# Allegro board pocketbeagle2-revA_241205.brd (continued)
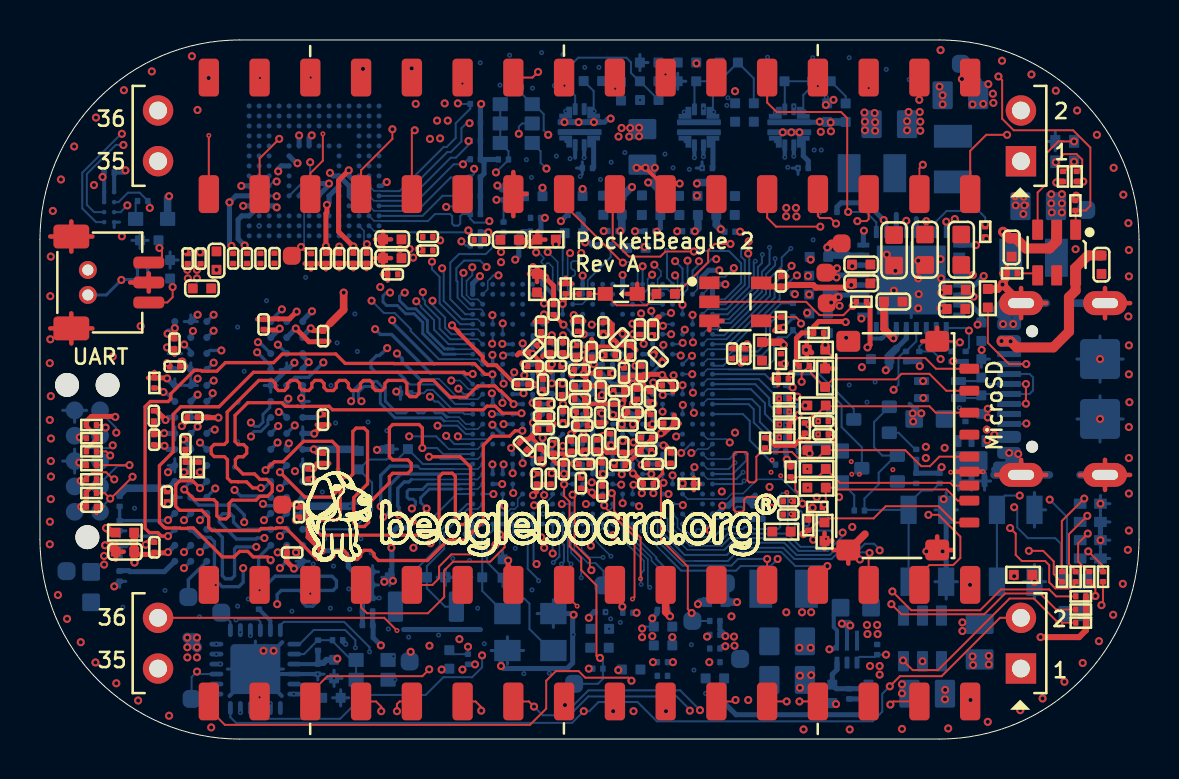
[diagram p0: board, top side]
## Routing (per net, layer and track width the routed paths; a pad name or vN(x,y) marks a point on that pad's centre or on a via; arc(x,y) is an arc through that point) (continued)
V21: length 24.9
  TOP w0.097: v4(28.79,32.56) 28.77,32.58 P2.18
  LYR2_GND w0.097: v2(29.09,32.33) 29.02,32.33 v4(28.79,32.56)
  LYR3 w0.097: v2(29.09,32.33) 29.22,32.21 30.59,32.21 31.07,31.73 33.77,31.73 34.12,32.08 35.26,32.08 v2(35.29,32.1)
  LAY8 w0.097: v2(35.29,32.1) 35.29,30.73 34.98,30.43 34.98,28.34 35.92,27.4 35.92,26.39 36.61,25.7 36.61,21.46 35.49,20.34 34.32,20.34 33.87,19.89 33.21,19.89 32.84,19.52 32.35,19.52 32.06,19.24 v1(32.06,19.2)
  BOTTOM w0.102: v1(32.06,19.2) 32,19.27 U1.V21
V24: length 23.9
  TOP w0.097: P2.4 46.28,33.12 46.21,33.04 v1(46.14,33.04)
  LYR3 w0.097: v2(40.14,32.64) 40.9,32.64 41.61,33.35 45.83,33.35 v1(46.14,33.04)
  LAY8 w0.097: v1(37.88,23.21) 37.88,23.29 37.98,23.39 37.98,25.32 39.56,26.9 39.56,29.03 40.22,29.69 40.22,31.77 40.14,31.85 v2(40.14,32.64)
  BOTTOM w0.081: 34.3,19.52 33.41,19.52 U1.V24
  BOTTOM w0.097: v1(37.88,23.21) 37.86,23.21 37.78,23.14 37.75,23.14 37.04,22.43
  BOTTOM w0.102: 37.04,22.43 37.02,22.4 37.02,22.03 34.5,19.52 34.3,19.52
VBAT: length 36.9
  TOP w0.305: v1(50.86,27.86) 50.91,27.91 R38.1
  TOP w0.508: v1(48.19,25.4) 48.52,25.07 C7.1 48.82,25.07 49.34,24.56 50.52,24.56 50.88,24.92 U5.2
  LAY5_PWR1 w0.381: 48.19,27.68 48.5,27.68 ; 48.19,27.68 48.19,27.99 ; 48.19,27.68 48.19,27.38 ; 48.5,27.68 48.19,27.38 ; 48.5,27.68 49.97,27.68 50.15,27.86 v1(50.86,27.86) ; 48.5,27.68 48.19,27.99 ; 48.19,27.38 v1(48.19,25.4) ; 48.19,27.99 48.19,29.36 45.75,31.8 45.75,32.69 44.36,34.09 35.72,34.09 33.22,31.58 28.93,31.58 28.23,30.89 v1(27.72,30.89)
  BOTTOM w0.254: v1(27.72,30.89) 28.25,30.89 28.41,31.04 28.53,31.04 v1(28.56,31.06)
  vias: v1(26.25,30.89) v1(26.96,30.89)
VDD_1V2: length 30.4
  TOP w0.102: C228.1 25.47,15.6 25.49,15.62 ; C227.1 25.51,16.16 ; C119.1 7.91,16.11 ; C120.1 14.17,14.33 ; C100.1 5.72,14.71 ; C115.1 5.7,16.46 ; C114.1 11.19,20.48
  TOP w0.254: v1(12,20.55) 11.93,20.48 11.19,20.48 ; v1(6.23,14.68) 6.2,14.71 5.72,14.71 ; v1(8.93,16.09) 8.51,16.09 8.49,16.11 7.91,16.11 ; C81.1 6.49,18.69 v1(6.36,18.82) ; v1(6.75,20.57) 6.75,20.5 6.73,20.48 C102.1 6.63,20.05 v1(6.38,20.29) ; v1(13.7,14.51) 13.87,14.33 14.17,14.33 ; 25.49,15.52 25.49,15.62 v1(25.64,15.77) 25.51,15.9 25.51,16.16 ; v1(25.11,17.31) 25.17,17.38 25.17,17.47 ; C99.1 13.64,13.01 v1(13.65,13) ; v1(6.28,15.98) 6.15,16.11 6.15,16.13 5.95,16.33 5.93,16.33 5.8,16.46 5.7,16.46
  BOTTOM w0.102: C121.1 16.67,5.71
  BOTTOM w0.152: 25.12,17.3 v1(25.11,17.31)
  BOTTOM w0.203: 25.63,15.78 v1(25.64,15.77)
  BOTTOM w0.254: v1(13.7,14.51) 13.7,14.5 U2.J1 ; v1(13.65,13) 13.55,12.9 U2.L1 ; 6.43,20.42 U2.B9 v1(6.75,20.57) ; 6.43,20.42 6.6,20.42 v1(6.75,20.57) ; 6.43,20.42 6.38,20.37 v1(6.38,20.29) ; U2.T9 6.23,8.38 4.5,8.38 4.45,8.43 3.95,8.43 ; v1(7.17,15.01) 7.55,14.62 U2.J8 ; U2.B3 v1(12,20.55) ; U2.G7 8.92,16.1 v1(8.93,16.09) ; U2.A1 13.15,20.95 v1(13.61,21.42) ; U2.D1 13.15,18.57 v1(13.45,18.87) 13.15,19.17 U2.C1 ; v1(14.01,16.28) 13.83,16.1 U2.G1 ; v1(6.75,20.57) U2.A9 ; 25.61,15.77 25.61,15.31 U1.K9 ; 25.61,15.77 25.63,15.78 25.63,16.24 U1.M9 ; 25.61,15.77 U1.L8 ; R86.1 16.65,5.73 16.67,5.71 16.67,5.08 v1(17.06,4.69) ; R81.1 3.99,12.26 ; 25.12,17.3 25.62,17.3 U1.P9 ; v1(41.23,25.45) 41.2,25.42 U17.24 ; v1(6.28,15.98) 6.41,16.1 U2.G9 ; v1(6.23,14.68) 6.41,14.5 U2.J9 ; U2.R1 12.81,9.36 v1(12.81,9.35) ; U2.D9 6.68,18.5 v1(6.36,18.82) ; U2.L9 v1(6.41,12.56) ; v1(25.11,17.31) 25.16,17.36 U1.R8 ; U2.J2 12.35,14.7 v1(12.45,14.81) ; U2.F8 v1(7.89,17.24)
  BOTTOM w0.381: v1(13.7,14.51) 15.87,14.51 R84.1 ; 3.99,12.26 4.29,12.56 v1(6.41,12.56)
  vias: v1(3.21,9.17) v1(3.21,8.74) v1(12.43,17.04) v1(12.76,13.41) v1(18.02,24.54) v1(18.5,24.54) v1(18.68,24.1) v1(18.96,24.54) v1(41.26,31.37) v1(41.28,30.91) v1(41.28,30.48) v1(41.77,31.34) v1(41.79,30.89) v1(41.79,30.45)
VDD_1V8: length 38.2
  TOP w0.102: C73.1 15.68,24.35 ; C273.1 24.44,17.76
  TOP w0.254: 24.44,17.76 24.68,17.76 v1(24.7,17.73) ; v1(15.45,28.47) 14.94,27.96 14.94,25.4 v1(15.68,24.66) 15.68,24.35 ; v1(26.22,13.28) 26.22,13.25 26.21,13.24 26.21,13.23
  TOP w0.305: C112.1 40.45,22.82 40.24,22.6 38.82,22.6 38.69,22.73 37.45,22.73 37.37,22.66 C21.1 36.28,22.66 U4.5
  LYR3 w0.254: J2.2 2.4,24.89 3.67,26.16 8.77,26.16 v1(9.48,26.87)
  BOTTOM w0.203: v1(26.22,13.28) 26.22,13.4 26.16,13.47 U1.G10 ; U1.T7 24.66,17.78 v1(24.7,17.73) ; U17.32 v1(45.35,25.9)
  BOTTOM w0.254: v1(9.58,24.69) 9.48,24.79 v1(9.48,26.87) 9.8,27.19 U3.P5 ; v1(15.45,28.47) 15.45,28.21 U3.C6 ; R13.1 R9.1 v1(22.44,25.37) ; R5.1 v1(22.08,31.8) 22.04,31.76 R10.1 R6.1 R11.1 22.05,29.02 ; v1(10.25,24.71) 9.91,25.04 9.91,26.01 10.1,26.19 U3.P3 U3.N4 U3.M4 11.69,26.69 11.77,26.62 v1(11.85,26.62) ; 22.05,29.02 22.22,28.85 22.22,28.31 22.04,28.13 R7.1 R12.1 R8.1 ; 22.05,29.02 R14.1 ; U17.20 v1(40.6,22.73)
  BOTTOM w0.381: 46.95,32.94 TP20.1
  vias: v1(18.8,31.8) v1(19.87,30.96) v1(20.25,31.82) v1(20.41,30.96) v1(23.07,24.38) v1(23.07,23.87) v1(45.78,26.03) v1(46.67,31.77) v1(47.2,31.8) v1(47.46,32.79) v1(47.68,32.31) v1(47.71,31.85)
VDD_2V5: length 76.1
  TOP w0.381: FB4.1 3.56,10.34 3.34,10.57 v1(3.31,10.57) ; v1(39.4,24.61) 39.61,24.81 TP25.1
  LYR7 w0.381: v1(3.31,10.57) 3.31,10.59 2.64,11.26 2.64,15.4 2.4,15.65 2.4,20.57 1.48,21.49 1.48,24.76 2.37,25.65 2.4,25.65 4.05,27.3 5.83,27.3 11.24,32.71 19.95,32.71 21.57,34.34 42.22,34.34 42.78,33.78 42.78,25.5 42.12,24.84 39.63,24.84 v1(39.4,24.61)
  BOTTOM w0.254: 40.42,24.23 U17.23
  BOTTOM w0.381: 40.42,24.23 39.54,24.23 C46.1 39.44,24.22 39.43,24.23 39.43,24.59 v1(39.4,24.61)
VDD_3V3: length 70.4
  TOP w0.102: C210.1 28.13,13.31 v1(28.18,13.27) ; 28.14,12.69 C272.1 ; 30.68,20.21 C223.1 ; C208.1 27.06,20.42 27.09,20.39 ; C211.1 31.19,15.8 ; C68.1 14.31,24.35 ; v1(29.8,18.69) 29.82,18.67 C217.1 ; C67.1 14.98,24.35
  TOP w0.203: R33.1 2.32,14.5 2.83,15.01 R31.1 2.83,15.17 2.32,15.67 R35.1 ; 26.92,20.39 27.09,20.39 v1(27.21,20.27) ; R34.1 2.32,12.36 2.83,12.87 R32.1
  TOP w0.254: 30.61,14.44 30.61,14.31 v1(30.62,14.3) ; v1(2.07,11.63) C5.1 R34.1 ; v1(30.7,16.79) 30.63,16.86 30.53,16.86 ; v1(27.16,13.24) 27.07,13.15 27.07,13.09 ; R182.1 R177.1 37.5,15.77 v1(37.96,16.23) ; R35.1 2.32,15.9 2.57,16.15 3.74,16.15 v1(3.77,16.13) ; 28.14,13.27 28.14,12.69 ; 28.14,13.27 28.14,13.29 C210.1 ; 28.14,13.27 28.12,13.29 ; 30.56,15.72 30.61,15.72 v1(30.66,15.77) 30.69,15.8 31.19,15.8 ; R228.1 47.35,25.09 v1(47.35,25.04) ; v1(31.15,18.85) 31.14,18.86 31.14,18.93 ; v1(14.98,24.65) 14.98,24.35 14.97,24.35 14.31,24.35 v1(14.31,24.69) 14.31,26.31 14.36,26.36 v1(14.36,26.74) ; 30.12,18.7 29.81,18.7 v1(29.8,18.69) ; R159.1 41.36,21.87 41.54,21.69 41.54,19.74 v1(41.41,19.61) ; 30.68,20.21 30.61,20.14 v1(30.59,20.14)
  TOP w0.305: v1(37.37,13.99) 37.56,13.8 R61.1 ; v1(50.07,5.1) 52,5.1 52.34,5.44 R96.1 R25.1 R27.1 ; R22.1 v1(52.21,27.91)
  LYR3 w0.381: v1(6.46,27.18) 5.9,27.18 5.85,27.23 4.05,27.23 v1(3.13,28.14) ; v1(2.07,11.63) 2.54,12.1 2.54,15.71 3.01,16.18 3.72,16.18 v1(3.77,16.13)
  LYR7 w0.305: 52.49,25.22 52.49,27.63 v1(52.21,27.91)
  BOTTOM w0.102: C8.1 3.21,28.22 v1(3.13,28.14)
  BOTTOM w0.152: v1(25.61,14.76) 25.64,14.76 26.15,15.27 U1.K10 ; U1.T19 30.66,18.35 v1(31.15,18.85)
  BOTTOM w0.203: U1.G12 v1(27.16,13.24) 27.13,13.27 U1.F11 ; 30.37,17.05 30.63,16.79 v1(30.7,16.79) 30.67,16.77 30.17,16.77 ; 30.37,17.05 U1.P18 ; 30.37,17.05 30.37,16.97 30.17,16.77 ; U1.W19 30.66,19.97 30.59,20.04 v1(30.59,20.14) ; v1(29.8,18.69) 29.88,18.77 U1.U18 ; U13.B2 U13.A2 3.21,28.06 v1(3.13,28.14) ; U1.L18 v1(30.66,15.77) U1.M19 ; 30.17,16.77 U1.N18 ; U1.H9 25.61,14.31 v1(25.61,14.76) ; U1.G14 28.16,13.63 28.13,13.6 28.13,13.32 v1(28.18,13.27) U1.F15 ; U1.W16 v1(29.16,20.29) ; 13.87,3.75 13.9,3.75 C18.1 ; 13.87,3.75 13.9,3.78 ; 13.87,3.75 U11.3 ; U1.J18 v1(30.62,14.3) ; U1.Y13 v1(27.21,20.27)
  BOTTOM w0.254: v1(14.36,26.74) 14.47,26.85 U3.F5 U3.E6 ; R24.1 34.03,5.48 34.2,5.31 34.2,5.26 v1(34.3,5.15) 34.2,5.15 34.13,5.22 34.05,5.22 ; v1(46.72,22.15) 46.64,22.23 U17.6 ; R173.1 37.4,17.73 37.52,17.6 v1(37.67,17.6) ; R180.1 37.32,14.35 37.35,14.32 37.35,14.07 37.37,14.04 v1(37.37,13.99) 37.32,13.94 R183.1 ; R174.1 37.47,16.25 37.93,16.25 v1(37.96,16.23) ; v1(12.89,28.83) 12.84,28.88 12.78,28.88 U3.K9 ; v1(2.07,11.63) 1.81,11.38 J1.1 ; 34.05,4.54 34.14,4.62 34.27,4.62 v1(34.3,4.65) ; R45.1 13.91,3.79 ; C11.2 41.25,2.01 R260.2 41.46,1.42 41.26,1.22 34.83,1.22 34.24,1.81 C206.1 ; v1(45.7,18.92) 45.73,18.9 R59.1 ; v1(27.47,3.52) R23.1 ; U3.J10 v1(12.97,30.22) ; R48.2 v1(29.85,6.32) ; v1(40.65,23.67) 40.71,23.73 U17.22 ; v1(45.12,13.61) 45.02,13.51 R28.1 R50.1 R58.1 ; R54.1 R160.1 44,18.69 v1(44.03,18.67)
  BOTTOM w0.305: C17.1 14.34,3.97 14.18,3.81 13.93,3.81 13.9,3.78
  BOTTOM w0.381: v1(6.46,27.18) 6.39,27.1 D6.1 ; v1(14.88,4.02) 14.82,3.97 C17.1
  BOTTOM w0.508: v1(7.86,4.6) 7.76,4.7 7.76,5.05 7.41,5.05 v1(7.37,5.08)
  vias: v1(7.37,23.49) v1(7.4,23.06) v1(7.37,4.6) v1(7.37,4.09) v1(7.86,23.49) v1(7.86,23.06) v1(7.86,5.08) v1(7.86,4.09) v1(19.52,30.05) v1(20.02,30.07) v1(34.6,6.14) v1(34.73,5.13) v1(34.76,4.67) v1(39.99,12.11) v1(45.3,2.46) v1(45.29,1.99)
VDD_3V3_EN: length 20.9
  LYR3 w0.097: v1(42.34,4.23) 42.34,5.95 41.87,6.42 41.87,6.93 40.55,8.25 40.55,9.04 42.1,10.59 42.1,16.46 41.64,16.92 41.64,17.55 40.75,18.44 40.75,20.7 v1(41.11,21.06)
  BOTTOM w0.102: U17.17 41.2,21.15 v1(41.11,21.06) ; U12.1 40.89,4 41,4.11 41.79,4.11 R137.2 v1(42.34,4.23)
VDD_3V3_SD: length 1.4
  BOTTOM w0.102: v1(46.16,5.84) 46.25,5.75 46.4,5.75 46.41,5.76 ; 46.41,5.76 46.41,5.66 v1(46.16,5.41) ; 46.41,5.76 C32.1
  vias: v1(39.71,15.52) v1(39.66,15.09)
VDD_CANUART: length 1.1
  TOP w0.254: v1(24.69,13.27) 24.72,13.31 24.86,13.31
  BOTTOM w0.203: v1(24.69,13.27) U1.F8
  BOTTOM w0.254: v1(27.47,6.07) 27.47,6.1 27.72,6.36 27.76,6.36
VDD_CORE: length 20.6
  TOP w0.102: C190.1 29.54,19.19 29.52,19.17 ; C186.1 29.87,16.99 ; C194.1 25.04,13.99 ; 26.71,18.35 26.73,18.37 C192.1 ; C181.1 25.07,20.37 ; v1(29.11,18.77) 29.23,18.66 C191.1 ; C185.1 26.58,14.93 ; C193.1 25.05,19.71 25.07,19.73 ; C180.1 27.88,15 ; 26.86,15.75 26.89,15.72 C189.1 ; C187.1 26.81,16.36 ; C183.1 28.54,15.3
  TOP w0.254: C184.1 29.15,16.1 C188.1 ; 29.54,19.17 29.52,19.17 v1(29.11,18.77) ; 25.07,20.37 25.07,19.78 v1(25.09,19.75) 25.07,19.73 24.89,19.73 ; 29.87,16.99 v1(29.67,16.79) ; v1(25.16,13.81) 25.04,13.92 25.04,13.99 ; 26.81,16.36 26.78,16.36 v1(26.65,16.23) 26.65,16.2 26.86,15.99 26.86,15.52 26.61,15.26 v1(26.58,15.26) 26.58,15.22 26.56,15.2 26.56,14.95 C185.1 ; 28.54,15.3 28.31,15.3 v1(28.18,15.18) 28,15 27.88,15 ; 26.71,18.49 26.71,18.35 v1(26.63,18.27)
  BOTTOM w0.102: C179.1 30.23,5.63 v1(30.13,5.54)
  BOTTOM w0.152: U1.V17 29.6,19.27 29.11,18.78 v1(29.11,18.77) ; U1.U12 27.09,18.77 26.67,18.35 26.67,18.31 v1(26.63,18.27) ; v1(26.58,15.26) 26.83,15.52 26.88,15.52 26.91,15.55 26.94,15.55 U1.L12 ; v1(29.11,15.77) 29.13,15.75 29.13,15.73 29.6,15.27 U1.K17
  BOTTOM w0.203: U1.J11 26.64,14.78 26.64,15.2 v1(26.58,15.26) ; v1(26.65,16.23) 26.63,16.25 26.63,16.74 U1.N11 ; U1.M16 29.16,15.81 v1(29.11,15.77) U1.L15 ; U1.V15 29.11,18.81 29.11,18.78 ; U1.R11 26.63,17.8 v1(26.63,18.27) ; U1.J14 28.14,14.78 28.14,15.14 v1(28.18,15.18) ; v1(29.67,16.79) 29.66,16.81 U1.P17 ; v1(25.16,13.81) U1.H8 ; U1.N13 27.66,16.77 v1(28.12,17.22) 28.12,17.26 28.16,17.3 U1.R14 ; U1.N8 25.6,16.77 v1(25.61,16.78) ; U1.V8 25.16,19.69 v1(25.09,19.75)
  BOTTOM w0.254: v1(30.64,6.04) 30.88,6.28 30.88,6.47 ; U17.1 v1(46.84,24.73)
  BOTTOM w0.381: v1(30.44,27.86) 30.62,27.86 31.05,27.43 FB8.1 ; FB7.1 33.85,27.48 33.47,27.86 32.93,27.86 v1(32.88,27.81)
  vias: v1(30.13,5.1) v1(30.64,5.15) v1(50.61,27.28) v1(50.61,26.82) v1(50.63,26.36) v1(51.14,27.28) v1(51.14,26.82) v1(51.14,26.36)
VDD_SD: length 40.7
  TOP w0.254: R95.1 38.45,11.36 v1(38.67,11.58) 38.64,11.61 ; R89.1 38.27,15.23 v1(38.41,15.09) 38.13,15.09 37.75,14.71 36.79,14.71 36.41,15.08 R90.1 ; v1(40.32,20.88) 40.29,20.9 38.97,20.9 38.71,20.64 R79.1 38.12,20.33 37.85,20.06 37.85,18.81 R30.1
  LAY5_PWR1 w0.381: 38.31,11.23 39.05,11.23 ; 38.31,11.23 v1(38.67,11.58) 38.69,11.58 39.05,11.23 ; 38.31,11.23 37.73,11.23 37.5,11.45 37.5,12.55 37.88,12.93 37.88,14.55 v1(38.41,15.09) ; 39.05,11.23 39.4,10.87 39.4,9.47 38.87,8.94 38.87,7.87 v1(37.35,6.35)
  LAY8 w0.381: v1(46.92,20.75) 46.62,21.06 42.45,21.06 41.92,20.52 40.9,20.52 40.55,20.88 v1(40.32,20.88) 40.09,20.88 39.81,20.6 39.81,19.63 40.36,19.09 40.36,16.9 38.54,15.09 v1(38.41,15.09) ; v1(34.88,6.86) 35.39,6.35 v1(37.35,6.35)
  BOTTOM w0.254: C49.1 47.11,21.22 46.6,21.73 U17.7
  BOTTOM w0.381: TP22.1 34.3,7.78 FB9.1 v1(34.88,6.86)
VDDA_0V85: length 8.5
  TOP w0.102: C198.1 27.61,19.1 ; C202.1 27.22,15 ; C195.1 26.76,17.68 ; 26.73,17.2 26.76,17.18 C196.1
  TOP w0.254: 26.73,17.02 26.73,17.2 v1(26.63,17.31) 26.76,17.44 26.76,17.68 ; v1(27.71,18.77) 27.61,18.87 27.61,19.1 ; v1(27.2,15.25) 27.22,15.23 27.22,15
  TOP w0.381: v1(39.59,21.86) 39.86,22.12 v1(39.96,22.12)
  BOTTOM w0.152: U1.N14 28.22,16.77 28.68,16.32 v1(28.68,16.22)
  BOTTOM w0.203: v1(28.68,17.27) U1.P16 ; U1.N12 27.11,16.77 27.02,16.85 v1(26.63,17.31) 26.66,17.32 27.11,17.77 U1.R12 ; U1.T10 v1(26.16,17.8) ; U1.K16 29.16,14.95 v1(29.17,14.93) ; U1.U14 v1(27.71,18.77)
  BOTTOM w0.254: U17.19 40.07,22.23 v1(39.96,22.12) ; v1(27.2,15.25) 27.16,15.21 U1.J12
  BOTTOM w0.381: C48.1 39.83,22.26 v1(39.96,22.12)
  vias: v1(40.01,21.69)
VDDA_1V8: length 7.6
  TOP w0.102: v1(24.62,14.27) 24.62,14.33 24.47,14.49 C205.1
  TOP w0.254: 24.38,14.47 24.42,14.47 v1(24.62,14.27)
  TOP w0.305: v1(39.89,23.57) 39.67,23.35 TP24.1
  TOP w0.381: FB11.1 37.08,19.87 v1(37.22,19.73)
  BOTTOM w0.203: v1(25.61,17.81) 25.61,17.92 25.66,17.96 U1.T9 ; v1(29.11,13.26) 29.11,13.34 29.16,13.38 U1.G16 ; U1.G7 24.66,14.23 v1(24.62,14.27)
  BOTTOM w0.254: U17.21 39.98,23.23 v1(39.86,23.11)
  BOTTOM w0.381: FB13.1 28.97,3.48 v1(28.94,3.45) ; C47.1 39.78,23.2 v1(39.86,23.11) ; FB16.1 29.17,27.2 29.6,27.63 v1(29.63,27.63) ; FB10.1 v1(25.15,27.6) ; FB14.1 v1(27.15,27.54)
  vias: v1(32.88,27.2) v1(38.69,9.98)
VDDA_1V8_CSIRX: length 0.8
  TOP w0.254: 28.19,20.33 28.19,20.23 v1(28.2,20.22)
  BOTTOM w0.203: U1.W14 28.16,20.18 v1(28.2,20.22)
  BOTTOM w0.254: 32.13,25.42 v1(31.89,25.42)
VDDA_1V8_MCU: length 0.7
  BOTTOM w0.254: 30.87,3.85 v1(30.68,3.85) ; v1(26.17,15.77) 26.18,15.76 26.65,15.76 U1.L11
VDDA_1V8_OLDI: length 2.1
  TOP w0.102: C167.1 26.18,19.88 ; C168.1 25.54,19.88
  TOP w0.203: 25.54,19.88 25.54,20.15 v1(25.61,20.21) ; v1(26.17,20.21) 26.18,20.2 26.18,19.88
  BOTTOM w0.203: U1.W9 25.66,20.17 v1(25.61,20.21) ; U1.W10 26.16,20.19 v1(26.17,20.21)
  BOTTOM w0.254: v1(26.07,25.93) 26.38,26.25 26.4,26.25
VDDA_1V8_USB: length 1.6
  TOP w0.102: C174.1 25.71,21.24 25.72,21.22
  TOP w0.203: 25.71,21.22 25.72,21.22 v1(26.2,20.74)
  BOTTOM w0.102: U1.Y11 26.44,20.48 26.44,20.5 v1(26.2,20.74)
  BOTTOM w0.254: 28.4,25.43 v1(28.21,25.43)
VDDA_CORE_CSI: length 1
  BOTTOM w0.102: U1.W13 28.11,19.31 v1(28.11,19.22) ; 34.8,25.4 C148.1
  BOTTOM w0.254: v1(35.04,25.4) 34.8,25.4
VDDA_CORE_USB: length 1.2
  TOP w0.102: C152.1 26.7,19.71 v1(26.64,19.77)
  BOTTOM w0.203: U1.W12 v1(26.64,19.77)
  BOTTOM w0.254: 30.25,25.42 v1(29.78,25.42)
VDDA_PLL0: length 2.6
  TOP w0.254: 26.1,18.68 26.1,18.74 v1(26.17,18.81)
  BOTTOM w0.254: U1.U11 26.61,18.81 v1(26.17,18.81) ; 24.51,25.41 24.15,25.41 23.96,25.22 23.96,24.18 v1(23.78,24)
VDDA_PLL1: length 0.7
  TOP w0.254: 35.26,19.02 v1(35.09,18.85)
  BOTTOM w0.254: v1(28.68,18.31) 28.66,18.33 U1.U15
VDDA_PLL2: length 0.5
  BOTTOM w0.203: U1.L14 28.16,16.26 v1(28.12,16.3)
  vias: v1(36.62,11.58)
VDDA_SYS_MON: length 14.2
  LYR3 w0.097: v1(21.42,4.62) 21.55,4.62 24.27,7.34 24.27,10.26 25.69,11.68 25.69,12.52 25.28,12.93 25.28,13.44 26.16,14.31 v1(26.16,14.67)
  BOTTOM w0.102: R141.1 20.69,4.25 R139.2 21.42,4.62 v1(21.42,4.62) ; v1(26.16,14.67) U1.H10
VDDSHV5: length 1.8
  TOP w0.102: C154.1 30.19,12.82 30.16,12.85
  TOP w0.254: 30.16,12.78 30.16,12.85 29.71,13.3 v1(29.67,13.3)
  BOTTOM w0.203: v1(29.67,13.3) 29.66,13.32 U1.G17
  BOTTOM w0.381: FB9.2 33.03,6.86 v1(32.93,6.76)
VIN_5V: length 2.5
  BOTTOM w0.254: v1(39.02,30.91) 38.99,30.88 U7.5
  BOTTOM w0.381: R55.1 C9.1
  vias: v1(39.07,30.4) v1(39.57,30.87) v1(39.58,30.43)
A5: length 43.1
  TOP w0.102: P2.7 41.47,26.03 41.37,25.93 v1(40.9,25.93)
  LYR3 w0.097: v1(40.9,25.93) 40.8,25.83 40.8,24.66 42.3,23.16 42.3,19.23 41.94,18.87 41.94,18.24 42.27,17.91 42.27,17.32 42.96,16.64 v2(42.96,10.41)
  LAY8 w0.097: v1(29.09,12.74) 29.09,12.26 28.81,11.99 28.81,11.66 29.93,10.54 32.62,10.54 33.05,10.11 37.3,10.11 37.98,9.42 40.29,9.42 41.41,10.54 42.83,10.54 v2(42.96,10.41)
  LYR9_GND w0.097: v3(23.68,10.26) 23.76,10.26 25.04,11.54 25.67,11.54 25.87,11.35 27.33,11.35 28.13,12.14 28.13,12.39 28.46,12.72 29.07,12.72 v1(29.09,12.74)
  BOTTOM w0.081: v3(23.68,10.26) 23.68,10.74 U1.A5
  BOTTOM w0.102: U1.E15 28.69,12.74 v1(29.09,12.74)
A13: length 50.6
  TOP w0.102: P2.31 10.99,29.06 v1(11.97,30.05)
  LYR3 w0.097: v1(27.57,9.68) 27.57,10.23 27.92,10.59 31.56,10.59 32.57,11.61 32.57,12.22 33.16,12.8 33.16,14.73 31.81,16.08 31.81,16.9 32.46,17.55 32.46,17.92 32.2,18.17 32.2,18.53 31.73,19 31.73,19.83 31.89,19.99 31.89,20.47 31.05,21.31 31.05,21.66 30.84,21.87 30.31,21.87 30.08,21.64 v1(30.08,21.31) ; v2(29.12,28.45) 28.56,28.45 27.92,29.08 24.6,29.08 23.22,30.45 19.34,30.45 18.75,29.87 12.15,29.87 v1(11.97,30.05)
  LAY8 w0.097: v2(29.12,28.45) 29.35,28.45 30.21,27.58 30.21,25.09 29.83,24.71 29.83,22.81 30.08,22.55 v1(30.08,21.31)
  BOTTOM w0.081: U1.A13 27.66,9.77 v1(27.57,9.68)
  BOTTOM w0.102: U1.AA18 30.16,21.18 30.15,21.19 30.12,21.26 30.11,21.26 v1(30.08,21.31)
A14: length 61.9
  TOP w0.102: v4(14.16,30.3) 14.16,28.95 13.53,28.33 P2.29
  LYR2_GND w0.097: v4(14.16,30.3) 14.16,30.73 14.77,31.34 22.39,31.34 22.82,31.77 28.43,31.77 28.81,31.39 32.47,31.39 33.51,30.35 35.47,30.35 35.65,30.18 v2(35.65,30.15)
  LYR3 w0.097: v2(28.58,9.65) 30.87,9.65 32.77,11.56 32.77,12.11 33.33,12.67 33.33,14.88 32.17,16.05 v1(32.17,16.73)
  LAY8 w0.097: v2(35.65,30.15) 35.65,28.5 36.51,27.64 36.51,26.44 37.19,25.75 37.19,21.18 39.23,19.15 39.23,17.01 38.31,16.09 38.31,16.08 37.85,15.62 36.51,15.62 35.4,16.73 35.26,16.73
  LAY8 w0.102: 35.26,16.73 v1(32.17,16.73)
  LYR9_GND w0.102: v3(28.25,9.85) 28.36,9.85 28.56,9.65 v2(28.58,9.65)
  BOTTOM w0.081: v3(28.25,9.85) 27.98,10.12 27.98,10.4 28.16,10.57 U1.A14
  BOTTOM w0.102: U1.M22 32.16,16.71 v1(32.17,16.73)
A15: length 41.9
  TOP w0.102: P2.9 38.93,26.19 39.03,26.08 39.56,26.08 v1(39.84,25.81)
  LYR3 w0.097: v2(42.71,9.85) 42.6,9.96 42.6,16.61 42.07,17.14 42.07,17.78 41.74,18.11 41.74,19 42.07,19.33 42.07,23.06 39.84,25.3 v1(39.84,25.81)
  LAY8 w0.097: v2(42.71,9.85) 42.66,9.8 41.31,9.8 40.52,9.02 37.73,9.02 37.09,9.65 32.8,9.65 32.32,10.13 29.35,10.13 29.24,10.23 v2(29.22,10.23) 29.22,10.26 28.79,10.69 28.18,10.69 27.87,11 23.93,11 23.25,11.67 23.25,11.68 v1(23.25,11.68)
  LYR9_GND w0.097: v2(29.22,10.23) 29.22,10.26 v3(28.76,10.72)
  BOTTOM w0.102: U1.D4 23.16,11.78 23.25,11.69 v1(23.25,11.68) ; v3(28.76,10.72) 28.71,10.72 U1.A15
A17: length 49.7
  TOP w0.102: P1.33 8.45,1.51 9.25,0.71 24.52,0.71 25.33,1.52 25.33,2.92 25.82,3.4 26.96,3.4 27.29,3.07 29.45,3.07 v1(29.6,2.92)
  LYR3 w0.097: v1(29.6,2.92) 29.62,2.94 29.62,3.48 31.15,5 31.15,6.55 v2(31,6.7) 31,8.71 33.74,11.45 33.74,15.24 33.38,15.59 33.38,20.5 32.66,21.22 v1(32.66,21.24)
  LYR9_GND w0.097: v2(31,6.7) 30.95,6.76 v3(30.95,7.36)
  BOTTOM w0.081: U1.A17 29.66,10.02 30.6,9.08 30.6,8.93 30.9,8.63 30.9,7.42 v3(30.95,7.36)
  BOTTOM w0.102: U1.AA23 v1(32.66,21.24)
A18: length 13.3
  TOP w0.102: P1.10 38.93,8.26 39.33,8.66 v1(39.4,8.66)
  LYR9_GND w0.102: v3(30.66,11.31) 30.66,11.19 30.16,10.69 30.16,10.44 v3(30.13,10.41)
  BOTTOM w0.081: U1.B19 30.91,11.02 30.91,10.29 32.28,8.91 32.77,8.91
  BOTTOM w0.102: U1.B19 v3(30.66,11.31) ; v3(30.13,10.41) 30.16,10.44 U1.A18 ; 32.77,8.91 34.43,8.91 34.88,9.37 37.09,9.37 37.8,8.66 v1(39.4,8.66)
A19: length 31.7
  TOP w0.102: P1.12 v1(36.39,9.02)
  LYR3 w0.097: v1(36.39,9.02) 37.19,9.81 37.19,10.71 37.6,11.12 37.6,12.09 37.98,12.47 37.98,15.62 36.86,16.74 36.86,21.95 34.05,24.76 31.27,24.76 30.18,23.67 v1(30.16,23.67)
  BOTTOM w0.102: v1(36.39,9.02) 34.93,9.02 34.6,8.69 32.16,8.69 30.66,10.19 U1.A19 ; U1.AE18 v1(30.16,23.67)
A20: length 13.4
  TOP w0.102: v1(41.52,9.32) 41.52,9.27 41.47,9.23 P1.8
  BOTTOM w0.102: U1.A20 31.16,10.32 32.26,9.22 34.38,9.22 34.73,9.57 37.19,9.57 37.75,9.02 39.61,9.02 39.94,9.35 41.49,9.35 v1(41.52,9.32)
AA19: length 74.3
  TOP w0.102: P1.2 48.04,6.07 45.12,3.15 43.04,3.15 v1(42.53,2.64)
  LYR3 w0.097: v1(27.21,1.4) 28.53,2.72 28.53,4.98 29.5,5.94 29.5,8 30.61,9.11 ; 32.6,11.1 v2(33.14,11.64) ; v1(30.59,21.44) 30.59,20.8 31.52,19.88 31.52,18.85 32.03,18.34 32.03,18.04 31.53,17.54 31.53,16.05 32.95,14.63 32.95,14.1 32.8,13.94 32.55,13.94 32.11,13.51 32.11,13.24 31.81,12.93 31.81,12.11 31.61,11.91 30.52,11.91 v1(30.12,12.31)
  LYR3 w0.102: 30.61,9.11 32.6,11.1
  LAY8 w0.097: v2(33.14,11.64) 32.88,11.38 31.02,11.38 30.12,12.28 v1(30.12,12.31)
  BOTTOM w0.102: U1.E18 30.16,12.35 v1(30.12,12.31) ; v1(30.59,21.44) 30.59,21.26 30.66,21.19 U1.AA19 ; U11.12 9.53,1.1 9.81,0.81 26.63,0.81 v1(27.21,1.4) 27.49,1.4 27.95,1.85 29.9,1.85 30.87,0.89 41.66,0.89 42.15,1.37 42.15,2.26 v1(42.53,2.64)
AA21: length 39.1
  LYR2_GND w0.097: v1(8.44,33.09) 9.53,34.19 31.94,34.19 v2(32.29,33.83)
  LAY8 w0.097: v1(31.18,20.69) 31.57,20.69 31.94,21.06 31.94,21.44 31.76,21.61 31.76,22.02 32.1,22.37 32.1,24.08 32.37,24.34 32.37,25.52 32.5,25.64 32.5,33.63 v2(32.29,33.83)
  BOTTOM w0.097: v1(31.18,20.69) 31.19,20.69 31.27,20.77 U1.AA21
AA24: length 36.7
  LYR2_GND w0.097: v4(13.55,33.12) 14.16,32.51 20.25,32.51 20.86,33.12 23.45,33.12 23.73,32.84 25.51,32.84 25.82,33.15 28.92,33.15 29.5,32.57 32.11,32.57 33.36,31.32 35.52,31.32 35.67,31.47 v2(36.05,31.47)
  LYR9_GND w0.097: v3(36.15,24.26) 36.05,24.36 v2(36.05,31.47)
  BOTTOM w0.081: U1.AA24 33.41,21.02 34.47,21.02
  BOTTOM w0.102: v3(36.15,24.26) 36.13,24.23 36.13,23.82 35.92,23.62 35.92,22.48 34.47,21.02
AA25: length 43.7
  TOP w0.102: P2.33 v4(8.45,30.22)
  LYR2_GND w0.097: v2(36.46,30.25) 36.08,30.25 35.77,30.55 33.59,30.55 32.52,31.62 29.09,31.62 28.69,32.03 22.35,32.03 22.2,32.18 10.41,32.18 v4(8.45,30.22)
  LYR9_GND w0.097: v2(36.46,30.25) 36.46,24.66 v3(36.51,24.61)
  BOTTOM w0.102: v3(36.51,24.61) 36.51,23.77 36.13,23.39 36.13,22.39 34.56,20.83 33.72,20.83 U1.AA25
AB10: length 33.4
  TOP w0.102: P1.5 42.71,1.88 v1(42.55,1.73) ; v1(34.55,24.79) 33.77,24.79 33.44,24.46 33.44,23.87 31.85,22.29 R68.2
  LYR3 w0.097: v1(34.55,24.79) 34.55,24.61 37.06,22.11 37.06,21.29 39.89,18.46 39.89,17.58 40.57,16.89 40.57,11.53 41.28,10.82 41.28,10.39 39.99,9.09 39.99,6.83 40.99,5.83 40.99,2.83 42.1,1.73 v1(42.55,1.73)
AB20: length 50.4
  TOP w0.102: P1.25 18,1.88 17.87,1.75 v1(17.87,1.4)
  LYR3 w0.097: 31.11,9.11 29.78,7.78 29.78,7.01 30.23,6.55 30.23,6.02 30.11,5.89 29.89,5.89 29.42,5.43 29.42,3.35 29.19,3.12 29.19,1.95 29.7,1.45 v1(29.7,1.4) ; v1(31.58,21.33) 32.04,21.33 33.11,20.27 33.11,15.47 33.54,15.04 33.54,11.54 32.8,10.8
  LYR3 w0.102: 32.8,10.8 31.11,9.11
  LAY8 w0.097: v2(8.83,5.13) 8.83,4.08 9.18,3.73 9.18,3.17 11.31,1.04 17.51,1.04 v1(17.87,1.4) 17.87,1.75 18.4,2.28 27.26,2.28 28.53,1.01 29.32,1.01 v1(29.7,1.4)
  LYR9_GND w0.097: v3(8.83,4.75) v2(8.83,5.13)
  BOTTOM w0.102: v1(31.58,21.33) 31.51,21.27 U1.AB20
AB22: length 77.3
  TOP w0.102: v1(48.4,30.25) 47.35,30.25 46.55,29.45 P2.3
  LYR3 w0.097: v2(50.53,9.4) 50.53,9.93 51.67,11.07 51.67,23.07 50.25,24.49 50.25,29.61 49.62,30.25 v1(48.4,30.25) 46.77,30.25 46.31,29.79 35.31,29.79 34.5,30.61 33.21,30.61 v2(32.93,30.33)
  LAY8 w0.097: v2(32.93,30.33) 32.93,28.52 33.23,28.22 33.23,24.31 33.46,24.08 33.46,23.05 v1(32.16,21.74) ; v2(50.53,9.4) 50.1,9.83 44.23,9.83 43.13,8.73 41.84,8.73 41.2,8.1 38.01,8.1 37.09,9.02 v1(36.92,9.02)
  BOTTOM w0.081: 31.43,9.09 30.41,10.11 30.41,11.02 U1.B18
  BOTTOM w0.102: v1(36.92,9.02) 36.56,8.66 35.06,8.66 34.83,8.43 32.09,8.43 31.43,9.09 ; U1.AB22 v1(32.16,21.74)
AB24: length 32.1
  LYR3 w0.097: v1(16.16,33.55) 16.16,33.48 16.47,33.17 24.34,33.17 24.65,32.87 29.5,32.87 29.85,32.51 v2(32.95,32.51)
  LAY8 w0.097: v2(32.95,32.51) 34.15,31.32 34.15,26.54 33.71,26.11 33.71,24.94 34.35,24.31 v1(35.44,24.31)